# Altium PCB FMC_ADC_100M_10B_16CHA_TDC.PcbDoc (part 10 of 12)
Units mil, origin at the board's own origin, x right, y up, seen from the top; angles counter-clockwise.
Board outline 3037.39 x 2716.54 mil, 6 copper layers (TOP, G1, L2, L3, P3, BOTTOM), stack 50.475 mil thick; 720 components, 633 nets, 2798 pads, 1593 vias.
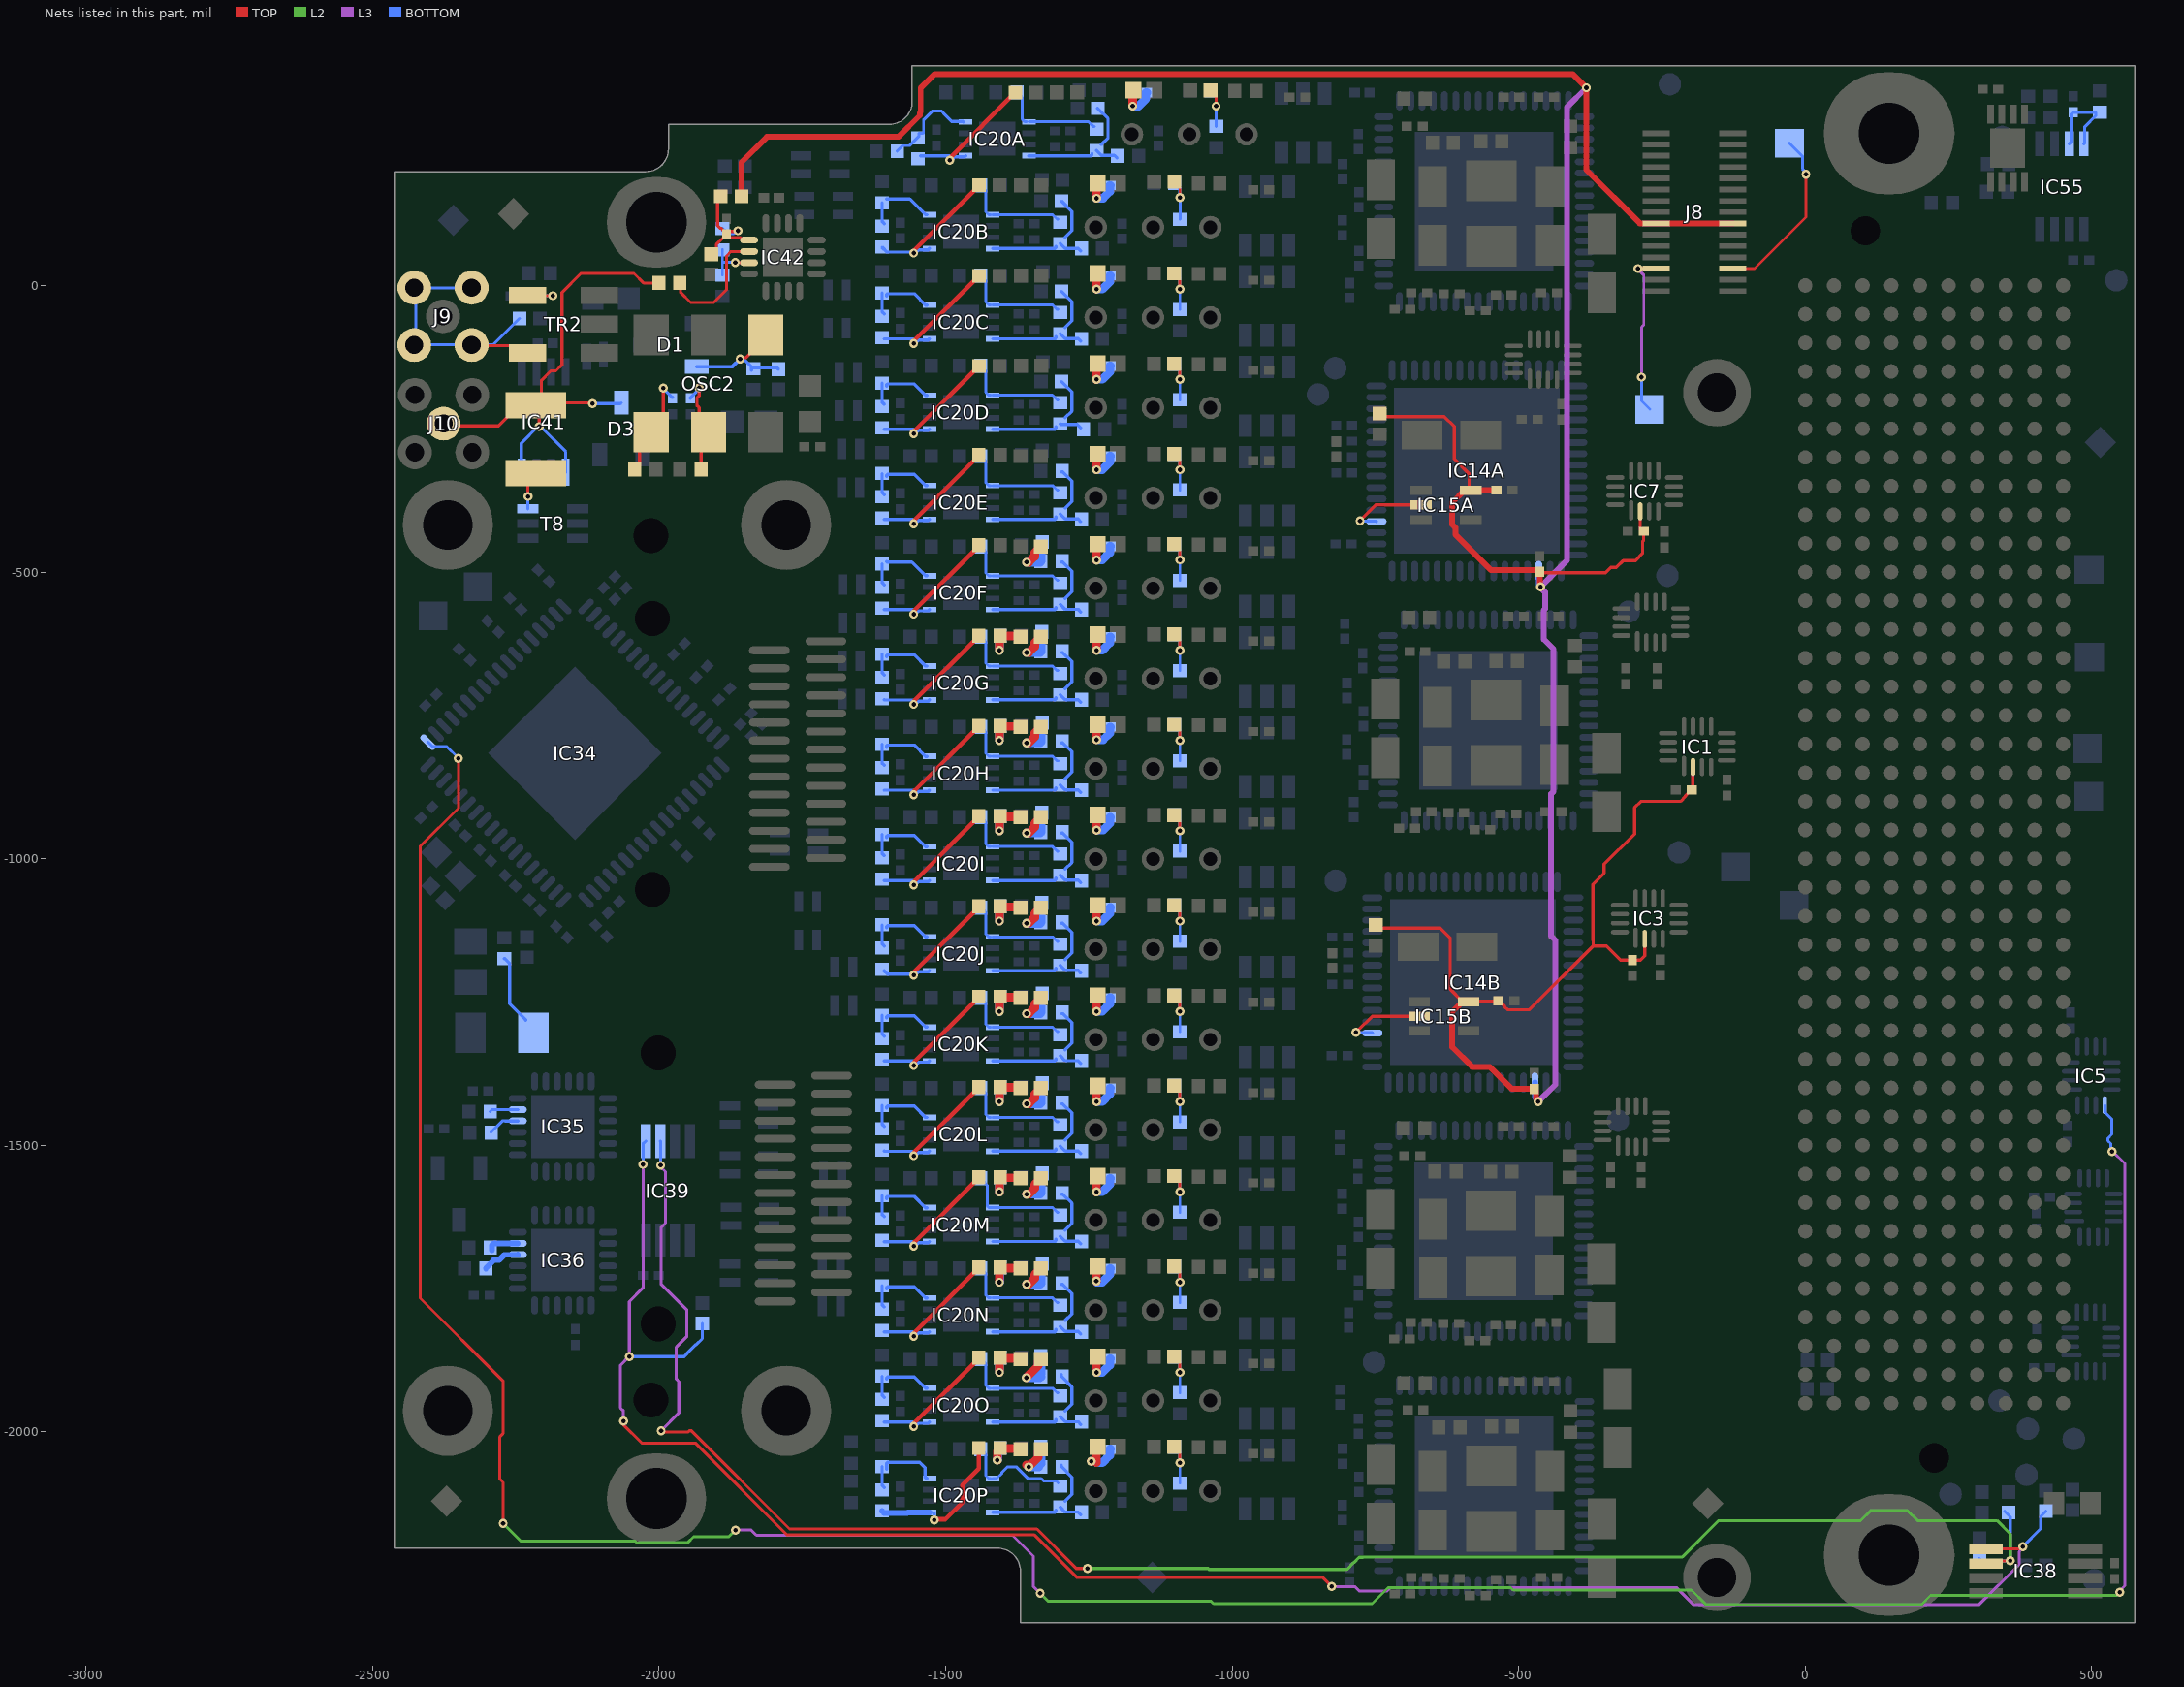
[diagram p14: the nets of this part, all layers, seen from the top]

## Via types
v1: diameter 15.75, hole 7.87, TOP to BOTTOM, tented both sides, 1528 vias
v2: diameter 23.62, hole 11.81, TOP to BOTTOM, tented both sides, 39 vias
v3: diameter 23.62, hole 7.87, TOP to BOTTOM, tented both sides, 26 vias

## Nets (pads, with @x,y where several pads share a name; then routed paths per layer and width w, separated by ;. In a path a pad name is that pad's centre, name@x,y a point inside that pad or via, vN(x,y) a via of type N, cw(c..) or ccw(c..) an arc to the next point about the centre after c; other vN are vias at no path point) (continued)
NetC99F_2: C99F.2 R48F.1 R57F.2 | length 92.9
  TOP w15: v1(-1358.78,-482.89) -1358.64,-482.74 -1354.55,-482.74 -1344.51,-472.71 -1344.51,-466.06 C99F.2@-1333.78,-455.33 C99F.2@-1333.19,-455.33
  BOTTOM w15: v1(-1358.78,-482.89) -1335.16,-482.89 -1333.19,-480.92 R48F.1@-1333.19,-455.33
NetC99G_1: C99G.1 R59G.2 R60G.1 | length 88.3
  TOP w15: v1(-1406.03,-636.43) R59G.2@-1406.03,-612.81 ; R59G.2@-1406.03,-608.87 -1403.07,-611.82 -1370.2,-611.82 C99G.1@-1369.22,-612.81
  BOTTOM w15: v1(-1406.03,-636.43) -1405.88,-636.29 -1405.88,-612.27 R60G.1@-1404.45,-610.84
NetC99G_2: C99G.2 R48G.1 R57G.2 | length 92.9
  TOP w15: v1(-1358.78,-640.37) -1358.64,-640.22 -1354.55,-640.22 -1344.51,-630.19 -1344.51,-623.54 C99G.2@-1333.78,-612.81 C99G.2@-1333.19,-612.81
  BOTTOM w15: v1(-1358.78,-640.37) -1335.16,-640.37 -1333.19,-638.4 R48G.1@-1333.19,-612.81
NetC99H_1: C99H.1 R59H.2 R60H.1 | length 88.3
  TOP w15: v1(-1406.03,-793.91) R59H.2@-1406.03,-770.29 ; R59H.2@-1406.03,-766.35 -1403.07,-769.3 -1370.2,-769.3 C99H.1@-1369.22,-770.29
  BOTTOM w15: v1(-1406.03,-793.91) -1405.88,-793.77 -1405.88,-769.75 R60H.1@-1404.45,-768.32
NetC99H_2: C99H.2 R48H.1 R57H.2 | length 92.9
  TOP w15: v1(-1358.78,-797.85) -1358.64,-797.7 -1354.55,-797.7 -1344.51,-787.67 -1344.51,-781.02 C99H.2@-1333.78,-770.29 C99H.2@-1333.19,-770.29
  BOTTOM w15: v1(-1358.78,-797.85) -1335.16,-797.85 -1333.19,-795.88 R48H.1@-1333.19,-770.29
NetC99I_1: C99I.1 R59I.2 R60I.1 | length 88.3
  TOP w15: v1(-1406.03,-951.39) R59I.2@-1406.03,-927.77 ; R59I.2@-1406.03,-923.83 -1403.07,-926.78 -1370.2,-926.78 C99I.1@-1369.22,-927.77
  BOTTOM w15: v1(-1406.03,-951.39) -1405.88,-951.25 -1405.88,-927.23 R60I.1@-1404.45,-925.8
NetC99I_2: C99I.2 R48I.1 R57I.2 | length 92.9
  TOP w15: v1(-1358.78,-955.33) -1358.64,-955.18 -1354.55,-955.18 -1344.51,-945.15 -1344.51,-938.5 C99I.2@-1333.78,-927.77 C99I.2@-1333.19,-927.77
  BOTTOM w15: v1(-1358.78,-955.33) -1335.16,-955.33 -1333.19,-953.36 R48I.1@-1333.19,-927.77
NetC99J_1: C99J.1 R59J.2 R60J.1 | length 88.3
  TOP w15: v1(-1406.03,-1108.87) R59J.2@-1406.03,-1085.25 ; R59J.2@-1406.03,-1081.31 -1403.07,-1084.26 -1370.2,-1084.26 C99J.1@-1369.22,-1085.25
  BOTTOM w15: v1(-1406.03,-1108.87) -1405.88,-1108.73 -1405.88,-1084.71 R60J.1@-1404.45,-1083.28
NetC99J_2: C99J.2 R48J.1 R57J.2 | length 92.9
  TOP w15: v1(-1358.78,-1112.81) -1358.64,-1112.66 -1354.55,-1112.66 -1344.51,-1102.63 -1344.51,-1095.98 C99J.2@-1333.78,-1085.25 C99J.2@-1333.19,-1085.25
  BOTTOM w15: v1(-1358.78,-1112.81) -1335.16,-1112.81 -1333.19,-1110.84 R48J.1@-1333.19,-1085.25
NetC99K_1: C99K.1 R59K.2 R60K.1 | length 88.3
  TOP w15: v1(-1406.03,-1266.35) R59K.2@-1406.03,-1242.73 ; R59K.2@-1406.03,-1238.79 -1403.07,-1241.75 -1370.2,-1241.75 C99K.1@-1369.22,-1242.73
  BOTTOM w15: v1(-1406.03,-1266.35) -1405.88,-1266.21 -1405.88,-1242.19 R60K.1@-1404.45,-1240.76
NetC99K_2: C99K.2 R48K.1 R57K.2 | length 92.9
  TOP w15: v1(-1358.78,-1270.29) -1358.64,-1270.15 -1354.55,-1270.15 -1344.51,-1260.11 -1344.51,-1253.46 C99K.2@-1333.78,-1242.73 C99K.2@-1333.19,-1242.73
  BOTTOM w15: v1(-1358.78,-1270.29) -1335.16,-1270.29 -1333.19,-1268.32 R48K.1@-1333.19,-1242.73
NetC99L_1: C99L.1 R59L.2 R60L.1 | length 88.3
  TOP w15: v1(-1406.03,-1423.83) R59L.2@-1406.03,-1400.21 ; R59L.2@-1406.03,-1396.27 -1403.07,-1399.23 -1370.2,-1399.23 C99L.1@-1369.22,-1400.21
  BOTTOM w15: v1(-1406.03,-1423.83) -1405.88,-1423.69 -1405.88,-1399.67 R60L.1@-1404.45,-1398.24
NetC99L_2: C99L.2 R48L.1 R57L.2 | length 92.9
  TOP w15: v1(-1358.78,-1427.77) -1358.64,-1427.63 -1354.55,-1427.63 -1344.51,-1417.59 -1344.51,-1410.94 C99L.2@-1333.78,-1400.21 C99L.2@-1333.19,-1400.21
  BOTTOM w15: v1(-1358.78,-1427.77) -1335.16,-1427.77 -1333.19,-1425.8 R48L.1@-1333.19,-1400.21
NetC99M_1: C99M.1 R59M.2 R60M.1 | length 88.3
  TOP w15: v1(-1406.03,-1581.31) R59M.2@-1406.03,-1557.69 ; R59M.2@-1406.03,-1553.75 -1403.07,-1556.71 -1370.2,-1556.71 C99M.1@-1369.22,-1557.69
  BOTTOM w15: v1(-1406.03,-1581.31) -1405.88,-1581.17 -1405.88,-1557.15 R60M.1@-1404.45,-1555.72
NetC99M_2: C99M.2 R48M.1 R57M.2 | length 92.9
  TOP w15: v1(-1358.78,-1585.25) -1358.64,-1585.11 -1354.55,-1585.11 -1344.51,-1575.07 -1344.51,-1568.42 C99M.2@-1333.78,-1557.69 C99M.2@-1333.19,-1557.69
  BOTTOM w15: v1(-1358.78,-1585.25) -1335.16,-1585.25 -1333.19,-1583.28 R48M.1@-1333.19,-1557.69
NetC99N_1: C99N.1 R59N.2 R60N.1 | length 88.9
  TOP w15: v1(-1406.03,-1738.79) R59N.2@-1406.03,-1715.17 ; R59N.2@-1406.03,-1711.23 -1403.07,-1714.19 -1369.61,-1714.19 C99N.1@-1368.63,-1715.17
  BOTTOM w15: v1(-1406.03,-1738.79) -1406.03,-1738.59 -1405.43,-1737.99 -1405.43,-1714.18 R60N.1@-1404.45,-1713.2
NetC99N_2: C99N.2 R48N.1 R57N.2 | length 92.9
  TOP w15: v1(-1358.78,-1742.73) -1358.64,-1742.59 -1354.55,-1742.59 -1344.51,-1732.55 -1344.51,-1725.9 C99N.2@-1333.78,-1715.17 C99N.2@-1333.19,-1715.17
  BOTTOM w15: v1(-1358.78,-1742.73) -1335.16,-1742.73 -1333.19,-1740.76 R48N.1@-1333.19,-1715.17
NetC99O_1: C99O.1 R59O.2 R60O.1 | length 88.3
  TOP w15: v1(-1406.03,-1896.27) R59O.2@-1406.03,-1872.65 ; R59O.2@-1406.03,-1868.71 -1403.07,-1871.67 -1370.2,-1871.67 C99O.1@-1369.22,-1872.65
  BOTTOM w15: v1(-1406.03,-1896.27) -1405.88,-1896.13 -1405.88,-1872.11 R60O.1@-1404.45,-1870.68
NetC99O_2: C99O.2 R48O.1 R57O.2 | length 95.6
  TOP w15: v1@-1358.91,-1905.22 -1338.49,-1884.79 -1338.49,-1877.36 C99O.2@-1333.78,-1872.65 C99O.2@-1333.19,-1872.65
  BOTTOM w15: v1(-1359.06,-1905.56) -1335.43,-1905.56 R57O.2@-1333.47,-1903.6 ; R57O.2@-1333.19,-1898.24 R48O.1@-1333.19,-1872.65
NetC99P_1: C99P.1 R59P.2 R60P.1 | length 77.7
  TOP w15: v1(-1409.84,-2049.27) -1409.7,-2049.12 -1409.7,-2033.8 R59P.2@-1406.03,-2030.13 ; R59P.2@-1402.09,-2030.13 -1401.11,-2029.15 -1370.2,-2029.15 C99P.1@-1369.22,-2030.13
  BOTTOM w15: v1(-1409.84,-2049.27) -1409.84,-2049.06 -1408.37,-2047.59 -1408.37,-2032.08 R60P.1@-1404.45,-2028.16
NetC99P_2: C99P.2 R48P.1 R57P.2 | length 84.3
  TOP w15: v1@-1358.78,-2057.69 v1@-1357.52,-2057.69 ; v1@-1354.87,-2060.73 -1354.58,-2060.73 -1338.49,-2044.64 -1338.49,-2034.84 C99P.2@-1333.78,-2030.13 C99P.2@-1333.19,-2030.13
  BOTTOM w15: v1(-1354.72,-2061.08) R57P.2@-1337.4,-2061.08 ; R57P.2@-1333.19,-2055.72 R48P.1@-1333.19,-2030.13
NetC100A_2: C100A.2 R58A.1 | length 68.3
  TOP w15: v1(-1173.62,312.93) -1173.48,313.08 -1173.48,339.07 C100A.2@-1172.05,340.5
  BOTTOM w15: v1@-1173.27,312.94 -1173.27,313.08 -1163.29,313.08 -1150.38,325.99 -1150.38,335.79 -1149.61,336.56 R58A.1@-1148.82,336.56
NetC100B_2: C100B.2 R58B.1 | length 66.6
  TOP w15: v1(-1236.73,152.23) -1236.59,152.37 -1236.59,177.1 C100B.2@-1235.16,178.53
  BOTTOM w15: v1@-1236.39,152.09 -1236.39,152.37 -1225.13,152.37 -1213.49,164.02 -1213.49,173.82 -1212.72,174.59 R58B.1@-1211.93,174.59
NetC100C_2: C100C.2 R58C.1 | length 68.3
  TOP w15: v1(-1236.73,-6.51) -1236.59,-6.37 -1236.59,19.62 C100C.2@-1235.16,21.05
  BOTTOM w15: v1@-1236.39,-6.51 -1236.39,-6.37 -1226.4,-6.37 -1213.49,6.54 -1213.49,16.34 -1212.72,17.11 R58C.1@-1211.93,17.11
NetC100D_2: C100D.2 R58D.1 | length 68.3
  TOP w15: v1(-1236.73,-163.99) -1236.59,-163.85 -1236.59,-137.86 C100D.2@-1235.16,-136.43
  BOTTOM w15: v1@-1236.39,-163.99 -1236.39,-163.85 -1226.4,-163.85 -1213.49,-150.94 -1213.49,-141.14 -1212.72,-140.37 R58D.1@-1211.93,-140.37
NetC100E_2: C100E.2 R58E.1 | length 68.3
  TOP w15: v1(-1236.73,-321.47) -1236.59,-321.33 -1236.59,-295.34 C100E.2@-1235.16,-293.91
  BOTTOM w15: v1@-1236.39,-321.47 -1236.39,-321.33 -1226.4,-321.33 -1213.49,-308.42 -1213.49,-298.62 -1212.72,-297.85 R58E.1@-1211.93,-297.85
NetC100F_2: C100F.2 R58F.1 | length 68.3
  TOP w15: v1(-1236.73,-478.96) -1236.59,-478.81 -1236.59,-452.82 C100F.2@-1235.16,-451.39
  BOTTOM w15: v1@-1236.39,-478.95 -1236.39,-478.81 -1226.4,-478.81 -1213.49,-465.9 -1213.49,-456.1 -1212.72,-455.33 R58F.1@-1211.93,-455.33
NetC100G_2: C100G.2 R58G.1 | length 68.3
  TOP w15: v1(-1236.73,-636.44) -1236.59,-636.29 -1236.59,-610.3 C100G.2@-1235.16,-608.87
  BOTTOM w15: v1@-1236.39,-636.43 -1236.39,-636.29 -1226.4,-636.29 -1213.49,-623.38 -1213.49,-613.58 -1212.72,-612.81 R58G.1@-1211.93,-612.81
NetC100H_2: C100H.2 R58H.1 | length 66.6
  TOP w15: v1(-1236.73,-792.65) -1236.59,-792.51 -1236.59,-767.78 C100H.2@-1235.16,-766.35
  BOTTOM w15: v1@-1236.39,-792.79 -1236.39,-792.51 -1225.13,-792.51 -1213.49,-780.86 -1213.49,-771.06 -1212.72,-770.29 R58H.1@-1211.93,-770.29
NetC100I_2: C100I.2 R58I.1 | length 66.6
  TOP w15: v1(-1236.73,-950.13) -1236.59,-949.99 -1236.59,-925.26 C100I.2@-1235.16,-923.83
  BOTTOM w15: v1@-1236.39,-950.27 -1236.39,-949.99 -1225.13,-949.99 -1213.49,-938.34 -1213.49,-928.54 -1212.72,-927.77 R58I.1@-1211.93,-927.77
NetC100J_2: C100J.2 R58J.1 | length 68.3
  TOP w15: v1(-1236.73,-1108.88) -1236.59,-1108.73 -1236.59,-1082.74 C100J.2@-1235.16,-1081.31
  BOTTOM w15: v1@-1236.39,-1108.87 -1236.39,-1108.73 -1226.4,-1108.73 -1213.49,-1095.82 -1213.49,-1086.02 -1212.72,-1085.25 R58J.1@-1211.93,-1085.25
NetC100K_2: C100K.2 R58K.1 | length 68.3
  TOP w15: v1(-1236.73,-1266.36) -1236.59,-1266.21 -1236.59,-1240.22 C100K.2@-1235.16,-1238.79
  BOTTOM w15: v1@-1236.39,-1266.35 -1236.39,-1266.21 -1226.4,-1266.21 -1213.49,-1253.3 -1213.49,-1243.5 -1212.72,-1242.73 R58K.1@-1211.93,-1242.73
NetC100L_2: C100L.2 R58L.1 | length 68.3
  TOP w15: v1(-1236.73,-1423.84) -1236.59,-1423.69 -1236.59,-1397.7 C100L.2@-1235.16,-1396.27
  BOTTOM w15: v1@-1236.39,-1423.83 -1236.39,-1423.69 -1226.4,-1423.69 -1213.49,-1410.78 -1213.49,-1400.98 -1212.72,-1400.21 R58L.1@-1211.93,-1400.21
NetC100M_2: C100M.2 R58M.1 | length 68.3
  TOP w15: v1(-1236.73,-1581.32) -1236.59,-1581.17 -1236.59,-1555.18 C100M.2@-1235.16,-1553.75
  BOTTOM w15: v1@-1236.39,-1581.31 -1236.39,-1581.17 -1226.4,-1581.17 -1213.49,-1568.26 -1213.49,-1558.46 -1212.72,-1557.69 R58M.1@-1211.93,-1557.69
NetC100N_2: C100N.2 R58N.1 | length 66.6
  TOP w15: v1(-1237,-1737) -1236.86,-1736.86 -1236.86,-1712.93 C100N.2@-1235.16,-1711.23
  BOTTOM w15: v1@-1236.39,-1738.79 -1236.39,-1738.65 -1226.4,-1738.65 -1213.49,-1725.74 -1213.49,-1715.94 -1212.72,-1715.17 R58N.1@-1211.93,-1715.17
NetC100O_2: C100O.2 R58O.1 | length 68.3
  TOP w15: v1(-1236.73,-1896.28) -1236.59,-1896.13 -1236.59,-1870.14 C100O.2@-1235.16,-1868.71
  BOTTOM w15: v1@-1236.39,-1896.27 -1236.39,-1896.13 -1226.4,-1896.13 -1213.49,-1883.23 -1213.49,-1873.42 -1212.72,-1872.65 R58O.1@-1211.93,-1872.65
NetC100P_2: C100P.2 R58P.1 | length 78.4
  TOP w15: v1(-1245.92,-2051.28) -1238.93,-2051.28 -1238.04,-2052.16 -1236.59,-2053.62 -1236.59,-2027.62 C100P.2@-1235.16,-2026.19
  BOTTOM w15: -1236.39,-2053.75 -1236.39,-2053.62 -1226.4,-2053.62 -1213.49,-2040.71 -1213.49,-2030.9 -1212.72,-2030.13 R58P.1@-1211.93,-2030.13
NetC104A_2: C104A.2 R68A.1 R70A.2 | length 93.3
  TOP w5: C104A.2@-1037.8,340.5 -1028.09,330.79 -1028.09,313.08 v1(-1027.95,312.94)
  BOTTOM w5: R68A.1@-1034.01,336.56 -1033.86,336.56 -1028.09,330.79 -1028.09,313.08 v1(-1027.95,312.94) R70A.2@-1027.95,277.51
NetC104B_2: C104B.2 R68B.1 R70B.2 | length 93.4
  TOP w5: C104B.2@-1100.79,180.94 -1091.08,171.24 -1091.08,153.52 v1(-1090.95,153.38)
  BOTTOM w5: R68B.1@-1097.12,174.59 -1096.97,174.59 -1091.2,168.83 -1091.2,151.11 -1090.95,150.85 -1090.95,115.66 R70B.2@-1091.07,115.54
NetC104C_2: C104C.2 R68C.1 R70C.2 | length 93.3
  TOP w5: C104C.2@-1100.91,21.05 -1091.2,11.35 -1091.2,-6.37 v1(-1091.07,-6.51)
  BOTTOM w5: R68C.1@-1097.12,17.11 -1096.97,17.11 -1091.2,11.35 -1091.2,-6.37 v1(-1091.07,-6.51) R70C.2@-1091.07,-41.94
NetC104D_2: C104D.2 R68D.1 R70D.2 | length 93.3
  TOP w5: C104D.2@-1100.91,-136.43 -1091.2,-146.13 -1091.2,-163.85 v1(-1091.07,-163.99)
  BOTTOM w5: R68D.1@-1097.12,-140.37 -1096.97,-140.37 -1091.2,-146.13 -1091.2,-163.85 v1(-1091.07,-163.99) R70D.2@-1091.07,-199.42
NetC104E_2: C104E.2 R68E.1 R70E.2 | length 93.3
  TOP w5: C104E.2@-1100.91,-293.91 -1091.2,-303.62 -1091.2,-321.33 v1(-1091.07,-321.47)
  BOTTOM w5: R68E.1@-1097.12,-297.85 -1096.97,-297.85 -1091.2,-303.62 -1091.2,-321.33 v1(-1091.07,-321.47) R70E.2@-1091.07,-356.9
NetC104F_2: C104F.2 R68F.1 R70F.2 | length 93.3
  TOP w5: C104F.2@-1100.91,-451.39 -1091.2,-461.1 -1091.2,-478.81 v1(-1091.07,-478.95)
  BOTTOM w5: R68F.1@-1097.12,-455.33 -1096.97,-455.33 -1091.2,-461.1 -1091.2,-478.81 v1(-1091.07,-478.95) R70F.2@-1091.07,-514.38
NetC104G_2: C104G.2 R68G.1 R70G.2 | length 93.3
  TOP w5: C104G.2@-1100.91,-608.87 -1091.2,-618.58 -1091.2,-636.29 v1(-1091.07,-636.43)
  BOTTOM w5: R68G.1@-1097.12,-612.81 -1096.97,-612.81 -1091.2,-618.58 -1091.2,-636.29 v1(-1091.07,-636.43) R70G.2@-1091.07,-671.86
NetC104H_2: C104H.2 R68H.1 R70H.2 | length 93.3
  TOP w5: C104H.2@-1100.91,-766.35 -1091.2,-776.06 -1091.2,-793.77 v1(-1091.07,-793.91)
  BOTTOM w5: R68H.1@-1097.12,-770.29 -1096.97,-770.29 -1091.2,-776.06 -1091.2,-793.77 v1(-1091.07,-793.91) R70H.2@-1091.07,-829.34
NetC104I_2: C104I.2 R68I.1 R70I.2 | length 93.3
  TOP w5: C104I.2@-1100.91,-923.83 -1091.2,-933.54 -1091.2,-951.25 v1(-1091.07,-951.39)
  BOTTOM w5: R68I.1@-1097.12,-927.77 -1096.97,-927.77 -1091.2,-933.54 -1091.2,-951.25 v1(-1091.07,-951.39) R70I.2@-1091.07,-986.82
NetC104J_2: C104J.2 R68J.1 R70J.2 | length 93.3
  TOP w5: C104J.2@-1100.91,-1081.31 -1091.2,-1091.02 -1091.2,-1108.73 v1(-1091.07,-1108.87)
  BOTTOM w5: R68J.1@-1097.12,-1085.25 -1096.97,-1085.25 -1091.2,-1091.02 -1091.2,-1108.73 v1(-1091.07,-1108.87) R70J.2@-1091.07,-1144.3
NetC104K_2: C104K.2 R68K.1 R70K.2 | length 93.3
  TOP w5: C104K.2@-1100.91,-1238.79 -1091.2,-1248.5 -1091.2,-1266.21 v1(-1091.07,-1266.35)
  BOTTOM w5: R68K.1@-1097.12,-1242.73 -1096.97,-1242.73 -1091.2,-1248.5 -1091.2,-1266.21 v1(-1091.07,-1266.35) R70K.2@-1091.07,-1301.78
NetC104L_2: C104L.2 R68L.1 R70L.2 | length 93.3
  TOP w5: C104L.2@-1100.91,-1396.27 -1091.2,-1405.98 -1091.2,-1423.69 v1(-1091.07,-1423.83)
  BOTTOM w5: R68L.1@-1097.12,-1400.21 -1096.97,-1400.21 -1091.2,-1405.98 -1091.2,-1423.69 v1(-1091.07,-1423.83) R70L.2@-1091.07,-1459.26
NetC104M_2: C104M.2 R68M.1 R70M.2 | length 93.3
  TOP w5: C104M.2@-1100.91,-1553.75 -1091.2,-1563.46 -1091.2,-1581.17 v1(-1091.07,-1581.31)
  BOTTOM w5: R68M.1@-1097.12,-1557.69 -1096.97,-1557.69 -1091.2,-1563.46 -1091.2,-1581.17 v1(-1091.07,-1581.31) R70M.2@-1091.07,-1616.75
NetC104N_2: C104N.2 R68N.1 R70N.2 | length 93.3
  TOP w5: C104N.2@-1100.91,-1711.23 -1091.2,-1720.94 -1091.2,-1738.65 v1(-1091.07,-1738.79)
  BOTTOM w5: R68N.1@-1097.12,-1715.17 -1096.97,-1715.17 -1091.2,-1720.94 -1091.2,-1738.65 v1(-1091.07,-1738.79) R70N.2@-1091.07,-1774.23
NetC104O_2: C104O.2 R68O.1 R70O.2 | length 93.3
  TOP w5: C104O.2@-1100.91,-1868.71 -1091.2,-1878.42 -1091.2,-1896.13 v1(-1091.07,-1896.27)
  BOTTOM w5: R68O.1@-1097.12,-1872.65 -1096.97,-1872.65 -1091.2,-1878.42 -1091.2,-1896.13 v1(-1091.07,-1896.27) R70O.2@-1091.07,-1931.71
NetC104P_2: C104P.2 R68P.1 R70P.2 | length 93.3
  TOP w5: C104P.2@-1100.91,-2026.19 -1091.2,-2035.9 -1091.2,-2053.62 v1(-1091.07,-2053.75)
  BOTTOM w5: R68P.1@-1097.12,-2030.13 -1096.97,-2030.13 -1091.2,-2035.9 -1091.2,-2053.62 v1(-1091.07,-2053.75) R70P.2@-1091.07,-2089.19
NetC110_2: C110.2 OSC2.4 R74.2 | length 179.1
  TOP w5.71: R74.2@-2042.52,-320.92 -2033.96,-312.36 -2033.96,-267.87 OSC2.4@-2024.02,-257.93 ; OSC2.4@-2013.78,-255.96 -1992.52,-234.7 v1(-1992.52,-179.19)
  BOTTOM w5.71: v1(-1992.52,-179.19) -1992.52,-180.17 -1977.76,-194.93 C110.2@-1976.77,-194.93
NetC111_2: C111.2 D1.2 OSC2.1 R72.2 | length 216.6
  TOP w5.71: v1(-1858.66,-128.01) -1856.74,-126.09 -1848.28,-126.09 OSC2.1@-1813.78,-91.59
  BOTTOM w5.71: v1(-1858.66,-128.01) -1856.74,-129.93 -1850.84,-129.93 -1838.98,-141.79 R72.2@-1838.98,-147.69 ; R72.2@-1835.04,-143.75 -1793.7,-143.75 C111.2@-1791.73,-145.72
  BOTTOM w6: D1.2@-1934.34,-141.4 -1872.06,-141.4 v1(-1858.66,-128.01)
NetC112_1: C112.1 OSC2.5 R71.2 | length 173.2
  TOP w5.71: v1@-1930,-183.12 -1930,-192.48 -1933.82,-196.29 -1933.82,-209.32 -1930,-213.14 -1930,-239.74 OSC2.5@-1913.78,-255.96 ; R71.2@-1926.77,-320.92 -1926.77,-255.17 OSC2.5@-1925.59,-253.99
  BOTTOM w5.71: C112.1@-1945.28,-196.9 -1945.28,-195.92 -1932.31,-182.96 -1932.31,-180.34 v1@-1933.11,-179.54
  other v1: -1930.18,-178.53
NetC113_1: C113.1 TR2.6 | length 83.5
  TOP w5: TR2.6@-2229.45,-17.53 -2229.22,-17.77 v1(-2185.43,-17.77)
  BOTTOM w5: C113.1@-2224.8,-17.77 v1(-2185.43,-17.77)
NetC117_2: C117.2 R80.1 | length 122.9
  BOTTOM w5.71: R80.1@-2270.2,-1174.62 -2269.41,-1174.62 -2260.85,-1183.18 -2260.85,-1253.06 -2232.68,-1281.24 C117.2@-2232.68,-1281.55
NetC295_1: C295.1 IC55.7 IC55.8 R160.1 | length 160.6
  BOTTOM w5.33: IC55.7@460.67,247.11 464.11,250.56 464.11,298.79 C295.1@467.56,302.23 506.14,302.23 506.93,301.45 506.93,296.02 487.66,276.76 487.66,248.52 IC55.8@486.26,247.11
NetD3_3: D3.3 IC41.1 IC41.4 J10.1 R79.2 R123.2 | length 961.2
  TOP w5.33: J10.1@-2350.79,-230.37 -2350.79,-245 -2280,-245 -2239.78,-204.78 R123.2@-2210.76,-204.78 ; v1(-2209.06,-246.12) R123.2@-2209.06,-210.68 ; v1@-2118.51,-204.78 -2205.04,-204.78 -2209.35,-209.08 R123.2@-2215.06,-209.08 R123.2@-2210.76,-204.78 ; R79.2@-2000.53,4.39 -2027.01,4.39 -2043.67,21.05 -2136.31,21.05 -2169.47,-12.11 -2169.47,-138.56 -2179.88,-148.97 -2188.74,-148.97 -2205.04,-165.27 -2205.04,-199.06 R123.2@-2210.76,-204.78
  BOTTOM w5.33: IC41.4@-2239.57,-326.04 -2240.34,-325.26 -2240.34,-275.11 -2211.34,-246.12 v1(-2209.06,-246.12) -2206.77,-246.12 -2162.8,-290.09 IC41.1@-2162.8,-326.04 ; v1(-2116,-206) -2067.28,-206 D3.3@-2066,-204.72
NetIC5_13: IC5.13 IC34.19 | length 5327.7
  TOP w5: v1(-2350.09,-824.86) -2350.09,-911.6 -2416.56,-978.07 -2416.56,-1766.81 -2272.39,-1910.98 -2272.39,-2003.07 -2277.74,-2008.42 -2277.74,-2082.36 -2272.04,-2088.06 v1(-2272.04,-2159.5)
  L3 w5: v1(-2272.04,-2159.5) v1@-2269.81,-2159.5 ; v1(-1866.54,-2171.31) -1839.11,-2171.31 -1830.11,-2180.31 -1383.41,-2180.31 -1346.99,-2216.72 -1346.99,-2269.6 v1(-1335.04,-2281.55) ; v1(535.08,-1510.82) 536.6,-1510.82 557.7,-1531.92 557.7,-2268.39 549,-2277.09 v1(549,-2280)
  L2 w5: v1(-2272.04,-2159.5) -2241.24,-2190.31 -2041.51,-2190.31 -2039.07,-2192.75 -1949.31,-2192.75 -1939.62,-2183.06 -1878.28,-2183.06 v1(-1866.54,-2171.31) ; v1(-1335.04,-2281.55) -1321.42,-2295.17 -1037.18,-2295.17 -1032.63,-2299.72 -755.78,-2299.72 -727.98,-2271.92 -513.81,-2271.92 -509.87,-2275.86 -198.35,-2275.86 -173.35,-2300.86 203.1,-2300.86 218.59,-2285.37 543.63,-2285.37 v1(549,-2280)
  BOTTOM w5: IC34.19@-2402.93,-796.72 -2395.27,-804.37 -2370.58,-804.37 v1(-2350.09,-824.86) ; IC5.13@522.62,-1430.18 522.62,-1441.99 534.87,-1454.24 534.87,-1481.18 527.99,-1488.07 527.99,-1492.21 533.02,-1497.25 533.02,-1508.76 v1(535.08,-1510.82)
NetIC14A_52: IC14A.52 IC15A.2 | length 146
  TOP w5.71: v1@-773.03,-410.64 -773.69,-409.98 -773.69,-407.37 -749.33,-383 IC15A.2@-670.31,-383
  BOTTOM w5.71: v1(-776.97,-410.64) -776.48,-411.14 -748.92,-411.14 IC14A.52@-748.43,-411.63
NetIC14B_52: IC14B.52 IC15B.2 | length 149.4
  TOP w5.71: v1@-779.92,-1303.2 -780.58,-1302.54 -780.58,-1299.92 -755.66,-1275 IC15B.2@-673.98,-1275